# Allegro board LED_FIN.brd (continued)
## Routing (per net, layer and track width the routed paths; a pad name or vN(x,y) marks a point on that pad's centre or on a via; arc(x,y) is an arc through that point) (continued)
  BOTTOM w0.15: v1(244.55,99.8) 244.55,242.1 v1(245.25,242.8) v1(245.25,244.8) v1(245.25,246.8) v1(245.25,248.8) v1(245.25,250.8) v1(245.25,252.8) v1(245.25,254.8) v1(245.25,256.8) v1(245.25,258.8) v1(245.25,260.8) v1(245.25,262.8) v1(245.25,264.8) v1(245.25,266.8) v1(245.25,268.8) v1(245.25,270.8) v1(245.25,272.8) v1(245.25,274.8) v1(245.25,276.8) v1(245.25,278.8) v1(245.25,280.8) v1(245.25,282.8) v1(245.25,284.8) v1(245.25,286.8) v1(245.25,288.8) v1(245.25,290.8) v1(245.25,292.8) v1(245.25,294.8) v1(245.25,296.8) v1(245.25,298.8) v1(245.25,300.8) v1(245.25,302.8) v1(245.25,304.8) v1(245.25,306.8) v1(245.25,308.8) v1(245.25,310.8) v1(245.25,312.8) v1(245.25,314.8) v1(245.25,316.8)
COL_OUT_B17: length 244.7
  TOP w0.15: D8413.1 v1(243.25,288.8) ; D8683.1 v1(243.25,270.8) ; D8833.1 v1(243.25,260.8) ; D8293.1 v1(243.25,296.8) ; D8203.1 v1(243.25,302.8) ; D8983.1 v1(243.25,250.8) ; D8563.1 v1(243.25,278.8) ; D8353.1 v1(243.25,292.8) ; D8533.1 v1(243.25,280.8) ; D8713.1 v1(243.25,268.8) ; D8233.1 v1(243.25,300.8) ; D8473.1 v1(243.25,284.8) ; D8923.1 v1(243.25,254.8) ; D9073.1 v1(243.25,244.8) ; D8143.1 v1(243.25,306.8) ; D8113.1 v1(243.25,308.8) ; D8893.1 v1(243.25,256.8) ; D7993.1 v1(243.25,316.8) ; D8053.1 v1(243.25,312.8) ; D8503.1 v1(243.25,282.8) ; D8953.1 v1(243.25,252.8) ; D8593.1 v1(243.25,276.8) ; D8173.1 v1(243.25,304.8) ; D8323.1 v1(243.25,294.8) ; D9013.1 v1(243.25,248.8) ; D9103.1 v1(243.25,242.8) ; D8863.1 v1(243.25,258.8) ; D8023.1 v1(243.25,314.8) ; D9043.1 v1(243.25,246.8) ; D8653.1 v1(243.25,272.8) ; D8743.1 v1(243.25,266.8) ; v1(242.55,99.8) R223.1 ; D8773.1 v1(243.25,264.8) ; D8263.1 v1(243.25,298.8) ; D8803.1 v1(243.25,262.8) ; D8623.1 v1(243.25,274.8) ; D8083.1 v1(243.25,310.8) ; D8383.1 v1(243.25,290.8) ; D8443.1 v1(243.25,286.8)
  BOTTOM w0.15: v1(242.55,99.8) 242.55,242.1 v1(243.25,242.8) v1(243.25,244.8) v1(243.25,246.8) v1(243.25,248.8) v1(243.25,250.8) v1(243.25,252.8) v1(243.25,254.8) v1(243.25,256.8) v1(243.25,258.8) v1(243.25,260.8) v1(243.25,262.8) v1(243.25,264.8) v1(243.25,266.8) v1(243.25,268.8) v1(243.25,270.8) v1(243.25,272.8) v1(243.25,274.8) v1(243.25,276.8) v1(243.25,278.8) v1(243.25,280.8) v1(243.25,282.8) v1(243.25,284.8) v1(243.25,286.8) v1(243.25,288.8) v1(243.25,290.8) v1(243.25,292.8) v1(243.25,294.8) v1(243.25,296.8) v1(243.25,298.8) v1(243.25,300.8) v1(243.25,302.8) v1(243.25,304.8) v1(243.25,306.8) v1(243.25,308.8) v1(243.25,310.8) v1(243.25,312.8) v1(243.25,314.8) v1(243.25,316.8)
COL_OUT_B18: length 244.7
  TOP w0.15: D8742.1 v1(241.25,266.8) ; D8652.1 v1(241.25,272.8) ; D8832.1 v1(241.25,260.8) ; D9072.1 v1(241.25,244.8) ; D8322.1 v1(241.25,294.8) ; D8262.1 v1(241.25,298.8) ; D8682.1 v1(241.25,270.8) ; D8202.1 v1(241.25,302.8) ; D8592.1 v1(241.25,276.8) ; D8562.1 v1(241.25,278.8) ; D8862.1 v1(241.25,258.8) ; D8232.1 v1(241.25,300.8) ; D8172.1 v1(241.25,304.8) ; D8952.1 v1(241.25,252.8) ; D8022.1 v1(241.25,314.8) ; D8802.1 v1(241.25,262.8) ; D8532.1 v1(241.25,280.8) ; D8052.1 v1(241.25,312.8) ; D8442.1 v1(241.25,286.8) ; D8922.1 v1(241.25,254.8) ; D8472.1 v1(241.25,284.8) ; D8382.1 v1(241.25,290.8) ; D8352.1 v1(241.25,292.8) ; D9102.1 v1(241.25,242.8) ; D8142.1 v1(241.25,306.8) ; D7992.1 v1(241.25,316.8) ; D8982.1 v1(241.25,250.8) ; D8892.1 v1(241.25,256.8) ; D8292.1 v1(241.25,296.8) ; D9012.1 v1(241.25,248.8) ; D8412.1 v1(241.25,288.8) ; D8112.1 v1(241.25,308.8) ; D9042.1 v1(241.25,246.8) ; D8622.1 v1(241.25,274.8) ; D8502.1 v1(241.25,282.8) ; D8712.1 v1(241.25,268.8) ; D8082.1 v1(241.25,310.8) ; v1(240.55,99.8) R222.1 ; D8772.1 v1(241.25,264.8)
  BOTTOM w0.15: v1(240.55,99.8) 240.55,242.1 v1(241.25,242.8) v1(241.25,244.8) v1(241.25,246.8) v1(241.25,248.8) v1(241.25,250.8) v1(241.25,252.8) v1(241.25,254.8) v1(241.25,256.8) v1(241.25,258.8) v1(241.25,260.8) v1(241.25,262.8) v1(241.25,264.8) v1(241.25,266.8) v1(241.25,268.8) v1(241.25,270.8) v1(241.25,272.8) v1(241.25,274.8) v1(241.25,276.8) v1(241.25,278.8) v1(241.25,280.8) v1(241.25,282.8) v1(241.25,284.8) v1(241.25,286.8) v1(241.25,288.8) v1(241.25,290.8) v1(241.25,292.8) v1(241.25,294.8) v1(241.25,296.8) v1(241.25,298.8) v1(241.25,300.8) v1(241.25,302.8) v1(241.25,304.8) v1(241.25,306.8) v1(241.25,308.8) v1(241.25,310.8) v1(241.25,312.8) v1(241.25,314.8) v1(241.25,316.8)
COL_OUT_B19: length 244.7
  TOP w0.15: D8021.1 v1(239.25,314.8) ; D8831.1 v1(239.25,260.8) ; D8471.1 v1(239.25,284.8) ; v1(238.55,99.8) R221.1 ; D8951.1 v1(239.25,252.8) ; D7991.1 v1(239.25,316.8) ; D8111.1 v1(239.25,308.8) ; D8561.1 v1(239.25,278.8) ; D8741.1 v1(239.25,266.8) ; D8351.1 v1(239.25,292.8) ; D8291.1 v1(239.25,296.8) ; D8441.1 v1(239.25,286.8) ; D8201.1 v1(239.25,302.8) ; D8801.1 v1(239.25,262.8) ; D8981.1 v1(239.25,250.8) ; D8381.1 v1(239.25,290.8) ; D8891.1 v1(239.25,256.8) ; D9071.1 v1(239.25,244.8) ; D8411.1 v1(239.25,288.8) ; D8591.1 v1(239.25,276.8) ; D8501.1 v1(239.25,282.8) ; D8231.1 v1(239.25,300.8) ; D8321.1 v1(239.25,294.8) ; D8651.1 v1(239.25,272.8) ; D8531.1 v1(239.25,280.8) ; D8681.1 v1(239.25,270.8) ; D8171.1 v1(239.25,304.8) ; D9011.1 v1(239.25,248.8) ; D8261.1 v1(239.25,298.8) ; D8051.1 v1(239.25,312.8) ; D9101.1 v1(239.25,242.8) ; D8921.1 v1(239.25,254.8) ; D8771.1 v1(239.25,264.8) ; D8861.1 v1(239.25,258.8) ; D8711.1 v1(239.25,268.8) ; D8621.1 v1(239.25,274.8) ; D8081.1 v1(239.25,310.8) ; D8141.1 v1(239.25,306.8) ; D9041.1 v1(239.25,246.8)
  BOTTOM w0.15: v1(239.25,316.8) v1(239.25,314.8) v1(239.25,312.8) v1(239.25,310.8) v1(239.25,308.8) v1(239.25,306.8) v1(239.25,304.8) v1(239.25,302.8) v1(239.25,300.8) v1(239.25,298.8) v1(239.25,296.8) v1(239.25,294.8) v1(239.25,292.8) v1(239.25,290.8) v1(239.25,288.8) v1(239.25,286.8) v1(239.25,284.8) v1(239.25,282.8) v1(239.25,280.8) v1(239.25,278.8) v1(239.25,276.8) v1(239.25,274.8) v1(239.25,272.8) v1(239.25,270.8) v1(239.25,268.8) v1(239.25,266.8) v1(239.25,264.8) v1(239.25,262.8) v1(239.25,260.8) v1(239.25,258.8) v1(239.25,256.8) v1(239.25,254.8) v1(239.25,252.8) v1(239.25,250.8) v1(239.25,248.8) v1(239.25,246.8) v1(239.25,244.8) v1(239.25,242.8) 238.55,242.1 v1(238.55,99.8)
COL_OUT_B20: length 244.7
  TOP w0.15: D7990.1 v1(237.25,316.8) ; D8290.1 v1(237.25,296.8) ; D8830.1 v1(237.25,260.8) ; D8800.1 v1(237.25,262.8) ; D8950.1 v1(237.25,252.8) ; D8440.1 v1(237.25,286.8) ; D8200.1 v1(237.25,302.8) ; D8860.1 v1(237.25,258.8) ; D8770.1 v1(237.25,264.8) ; D8110.1 v1(237.25,308.8) ; D9040.1 v1(237.25,246.8) ; D8590.1 v1(237.25,276.8) ; D8170.1 v1(237.25,304.8) ; D8560.1 v1(237.25,278.8) ; D8500.1 v1(237.25,282.8) ; D8920.1 v1(237.25,254.8) ; D8380.1 v1(237.25,290.8) ; D8080.1 v1(237.25,310.8) ; D8890.1 v1(237.25,256.8) ; D8410.1 v1(237.25,288.8) ; D8680.1 v1(237.25,270.8) ; D8980.1 v1(237.25,250.8) ; D9100.1 v1(237.25,242.8) ; D8230.1 v1(237.25,300.8) ; v1(236.55,99.8) R220.1 ; D8620.1 v1(237.25,274.8) ; D8710.1 v1(237.25,268.8) ; D8740.1 v1(237.25,266.8) ; D8050.1 v1(237.25,312.8) ; D8320.1 v1(237.25,294.8) ; D8650.1 v1(237.25,272.8) ; D8140.1 v1(237.25,306.8) ; D8260.1 v1(237.25,298.8) ; D8350.1 v1(237.25,292.8) ; D8530.1 v1(237.25,280.8) ; D9010.1 v1(237.25,248.8) ; D8470.1 v1(237.25,284.8) ; D8020.1 v1(237.25,314.8) ; D9070.1 v1(237.25,244.8)
  BOTTOM w0.15: v1(236.55,99.8) 236.55,242.1 v1(237.25,242.8) v1(237.25,244.8) v1(237.25,246.8) v1(237.25,248.8) v1(237.25,250.8) v1(237.25,252.8) v1(237.25,254.8) v1(237.25,256.8) v1(237.25,258.8) v1(237.25,260.8) v1(237.25,262.8) v1(237.25,264.8) v1(237.25,266.8) v1(237.25,268.8) v1(237.25,270.8) v1(237.25,272.8) v1(237.25,274.8) v1(237.25,276.8) v1(237.25,278.8) v1(237.25,280.8) v1(237.25,282.8) v1(237.25,284.8) v1(237.25,286.8) v1(237.25,288.8) v1(237.25,290.8) v1(237.25,292.8) v1(237.25,294.8) v1(237.25,296.8) v1(237.25,298.8) v1(237.25,300.8) v1(237.25,302.8) v1(237.25,304.8) v1(237.25,306.8) v1(237.25,308.8) v1(237.25,310.8) v1(237.25,312.8) v1(237.25,314.8) v1(237.25,316.8)
COL_OUT_B21: length 244.7
  TOP w0.15: D7989.1 v1(235.25,316.8) ; D8949.1 v1(235.25,252.8) ; D8619.1 v1(235.25,274.8) ; v1(234.55,99.8) R219.1 ; D8559.1 v1(235.25,278.8) ; D8259.1 v1(235.25,298.8) ; D9099.1 v1(235.25,242.8) ; D8529.1 v1(235.25,280.8) ; D8829.1 v1(235.25,260.8) ; D8979.1 v1(235.25,250.8) ; D8409.1 v1(235.25,288.8) ; D8739.1 v1(235.25,266.8) ; D8679.1 v1(235.25,270.8) ; D8289.1 v1(235.25,296.8) ; D8139.1 v1(235.25,306.8) ; D8049.1 v1(235.25,312.8) ; D8319.1 v1(235.25,294.8) ; D8019.1 v1(235.25,314.8) ; D9009.1 v1(235.25,248.8) ; D8649.1 v1(235.25,272.8) ; D9069.1 v1(235.25,244.8) ; D8079.1 v1(235.25,310.8) ; D9039.1 v1(235.25,246.8) ; D8919.1 v1(235.25,254.8) ; D8469.1 v1(235.25,284.8) ; D8379.1 v1(235.25,290.8) ; D8859.1 v1(235.25,258.8) ; D8889.1 v1(235.25,256.8) ; D8709.1 v1(235.25,268.8) ; D8769.1 v1(235.25,264.8) ; D8229.1 v1(235.25,300.8) ; D8439.1 v1(235.25,286.8) ; D8109.1 v1(235.25,308.8) ; D8589.1 v1(235.25,276.8) ; D8349.1 v1(235.25,292.8) ; D8799.1 v1(235.25,262.8) ; D8199.1 v1(235.25,302.8) ; D8499.1 v1(235.25,282.8) ; D8169.1 v1(235.25,304.8)
  BOTTOM w0.15: v1(234.55,99.8) 234.55,242.1 v1(235.25,242.8) v1(235.25,244.8) v1(235.25,246.8) v1(235.25,248.8) v1(235.25,250.8) v1(235.25,252.8) v1(235.25,254.8) v1(235.25,256.8) v1(235.25,258.8) v1(235.25,260.8) v1(235.25,262.8) v1(235.25,264.8) v1(235.25,266.8) v1(235.25,268.8) v1(235.25,270.8) v1(235.25,272.8) v1(235.25,274.8) v1(235.25,276.8) v1(235.25,278.8) v1(235.25,280.8) v1(235.25,282.8) v1(235.25,284.8) v1(235.25,286.8) v1(235.25,288.8) v1(235.25,290.8) v1(235.25,292.8) v1(235.25,294.8) v1(235.25,296.8) v1(235.25,298.8) v1(235.25,300.8) v1(235.25,302.8) v1(235.25,304.8) v1(235.25,306.8) v1(235.25,308.8) v1(235.25,310.8) v1(235.25,312.8) v1(235.25,314.8) v1(235.25,316.8)
COL_OUT_B22: length 245.1
  TOP w0.15: D8678.1 v1(233.25,270.8) ; D8258.1 v1(233.25,298.8) ; D8198.1 v1(233.25,302.8) ; D8078.1 v1(233.25,310.8) ; D8588.1 v1(233.25,276.8) ; D8498.1 v1(233.25,282.8) ; D8768.1 v1(233.25,264.8) ; D8918.1 v1(233.25,254.8) ; D8438.1 v1(233.25,286.8) ; D9068.1 v1(233.25,244.8) ; D8108.1 v1(233.25,308.8) ; D8408.1 v1(233.25,288.8) ; D8798.1 v1(233.25,262.8) ; D8048.1 v1(233.25,312.8) ; D8228.1 v1(233.25,300.8) ; D7988.1 v1(233.25,316.8) ; D8828.1 v1(233.25,260.8) ; D8288.1 v1(233.25,296.8) ; D8648.1 v1(233.25,272.8) ; D9098.1 v1(233.25,242.8) ; D8528.1 v1(233.25,280.8) ; D9008.1 v1(233.25,248.8) ; D8468.1 v1(233.25,284.8) ; D8378.1 v1(233.25,290.8) ; D8888.1 v1(233.25,256.8) ; v1(232.55,99.8) R218.1 ; D8708.1 v1(233.25,268.8) ; D8138.1 v1(233.25,306.8) ; D9038.1 v1(233.25,246.8) ; D8318.1 v1(233.25,294.8) ; D8948.1 v1(233.25,252.8) ; D8738.1 v1(233.25,266.8) ; D8858.1 v1(233.25,258.8) ; D8018.1 v1(233.25,314.8) ; D8348.1 v1(233.25,292.8) ; D8168.1 v1(233.25,304.8) ; D8558.1 v1(233.25,278.8) ; D8978.1 v1(233.25,250.8) ; D8618.1 v1(233.25,274.8)
  BOTTOM w0.15: v1(232.55,99.8) 232.08,100.27 232.08,131.75 232.55,132.22 232.55,242.1 v1(233.25,242.8) v1(233.25,244.8) v1(233.25,246.8) v1(233.25,248.8) v1(233.25,250.8) v1(233.25,252.8) v1(233.25,254.8) v1(233.25,256.8) v1(233.25,258.8) v1(233.25,260.8) v1(233.25,262.8) v1(233.25,264.8) v1(233.25,266.8) v1(233.25,268.8) v1(233.25,270.8) v1(233.25,272.8) v1(233.25,274.8) v1(233.25,276.8) v1(233.25,278.8) v1(233.25,280.8) v1(233.25,282.8) v1(233.25,284.8) v1(233.25,286.8) v1(233.25,288.8) v1(233.25,290.8) v1(233.25,292.8) v1(233.25,294.8) v1(233.25,296.8) v1(233.25,298.8) v1(233.25,300.8) v1(233.25,302.8) v1(233.25,304.8) v1(233.25,306.8) v1(233.25,308.8) v1(233.25,310.8) v1(233.25,312.8) v1(233.25,314.8) v1(233.25,316.8)
COL_OUT_B23: length 244.8
  TOP w0.15: v1(230.55,128.8) 230.74,128.99 230.74,132.61 v1(230.55,132.8) ; D9037.1 v1(231.25,246.8) ; D8467.1 v1(231.25,284.8) ; D8257.1 v1(231.25,298.8) ; D8917.1 v1(231.25,254.8) ; D8347.1 v1(231.25,292.8) ; D8587.1 v1(231.25,276.8) ; D8107.1 v1(231.25,308.8) ; D8287.1 v1(231.25,296.8) ; D8017.1 v1(231.25,314.8) ; D8767.1 v1(231.25,264.8) ; v1(230.55,99.8) R217.1 ; D8197.1 v1(231.25,302.8) ; D8077.1 v1(231.25,310.8) ; D8647.1 v1(231.25,272.8) ; D8947.1 v1(231.25,252.8) ; D9097.1 v1(231.25,242.8) ; D7987.1 v1(231.25,316.8) ; D9067.1 v1(231.25,244.8) ; D8887.1 v1(231.25,256.8) ; D9007.1 v1(231.25,248.8) ; D8317.1 v1(231.25,294.8) ; D8737.1 v1(231.25,266.8) ; D8167.1 v1(231.25,304.8) ; D8407.1 v1(231.25,288.8) ; D8557.1 v1(231.25,278.8) ; D8857.1 v1(231.25,258.8) ; D8527.1 v1(231.25,280.8) ; D8827.1 v1(231.25,260.8) ; D8377.1 v1(231.25,290.8) ; D8707.1 v1(231.25,268.8) ; D8797.1 v1(231.25,262.8) ; D8047.1 v1(231.25,312.8) ; D8137.1 v1(231.25,306.8) ; D8497.1 v1(231.25,282.8) ; D8977.1 v1(231.25,250.8) ; D8677.1 v1(231.25,270.8) ; D8227.1 v1(231.25,300.8) ; D8437.1 v1(231.25,286.8) ; D8617.1 v1(231.25,274.8)
  BOTTOM w0.15: v1(231.25,316.8) v1(231.25,314.8) v1(231.25,312.8) v1(231.25,310.8) v1(231.25,308.8) v1(231.25,306.8) v1(231.25,304.8) v1(231.25,302.8) v1(231.25,300.8) v1(231.25,298.8) v1(231.25,296.8) v1(231.25,294.8) v1(231.25,292.8) v1(231.25,290.8) v1(231.25,288.8) v1(231.25,286.8) v1(231.25,284.8) v1(231.25,282.8) v1(231.25,280.8) v1(231.25,278.8) v1(231.25,276.8) v1(231.25,274.8) v1(231.25,272.8) v1(231.25,270.8) v1(231.25,268.8) v1(231.25,266.8) v1(231.25,264.8) v1(231.25,262.8) v1(231.25,260.8) v1(231.25,258.8) v1(231.25,256.8) v1(231.25,254.8) v1(231.25,252.8) v1(231.25,250.8) v1(231.25,248.8) v1(231.25,246.8) v1(231.25,244.8) v1(231.25,242.8) 230.55,242.1 v1(230.55,132.8) ; v1(230.55,128.8) v1(230.55,99.8)
COL_OUT_B24: length 244.9
  TOP w0.15: D8946.1 v1(229.25,252.8) ; D9066.1 v1(229.25,244.8) ; D8646.1 v1(229.25,272.8) ; D8196.1 v1(229.25,302.8) ; D7986.1 v1(229.25,316.8) ; D8766.1 v1(229.25,264.8) ; D8256.1 v1(229.25,298.8) ; D8736.1 v1(229.25,266.8) ; D9096.1 v1(229.25,242.8) ; D8526.1 v1(229.25,280.8) ; D8316.1 v1(229.25,294.8) ; D8136.1 v1(229.25,306.8) ; D8616.1 v1(229.25,274.8) ; D8106.1 v1(229.25,308.8) ; D8916.1 v1(229.25,254.8) ; D8826.1 v1(229.25,260.8) ; D8796.1 v1(229.25,262.8) ; D8226.1 v1(229.25,300.8) ; D8406.1 v1(229.25,288.8) ; D8166.1 v1(229.25,304.8) ; D8046.1 v1(229.25,312.8) ; D8346.1 v1(229.25,292.8) ; D8376.1 v1(229.25,290.8) ; D8556.1 v1(229.25,278.8) ; D8886.1 v1(229.25,256.8) ; D8016.1 v1(229.25,314.8) ; D8706.1 v1(229.25,268.8) ; v1(228.55,99.8) R216.1 ; D8856.1 v1(229.25,258.8) ; D8496.1 v1(229.25,282.8) ; D8466.1 v1(229.25,284.8) ; D8076.1 v1(229.25,310.8) ; D8436.1 v1(229.25,286.8) ; D8586.1 v1(229.25,276.8) ; D8976.1 v1(229.25,250.8) ; D9036.1 v1(229.25,246.8) ; D8286.1 v1(229.25,296.8) ; D8676.1 v1(229.25,270.8) ; D9006.1 v1(229.25,248.8)
  BOTTOM w0.15: v1(229.25,316.8) v1(229.25,314.8) v1(229.25,312.8) v1(229.25,310.8) v1(229.25,308.8) v1(229.25,306.8) v1(229.25,304.8) v1(229.25,302.8) v1(229.25,300.8) v1(229.25,298.8) v1(229.25,296.8) v1(229.25,294.8) v1(229.25,292.8) v1(229.25,290.8) v1(229.25,288.8) v1(229.25,286.8) v1(229.25,284.8) v1(229.25,282.8) v1(229.25,280.8) v1(229.25,278.8) v1(229.25,276.8) v1(229.25,274.8) v1(229.25,272.8) v1(229.25,270.8) v1(229.25,268.8) v1(229.25,266.8) v1(229.25,264.8) v1(229.25,262.8) v1(229.25,260.8) v1(229.25,258.8) v1(229.25,256.8) v1(229.25,254.8) v1(229.25,252.8) v1(229.25,250.8) v1(229.25,248.8) v1(229.25,246.8) v1(229.25,244.8) v1(229.25,242.8) 228.55,242.1 228.55,132.03 228.27,131.75 228.27,100.58 228.55,100.3 v1(228.55,99.8)
COL_OUT_B25: length 245
  TOP w0.15: D8675.1 v1(227.25,270.8) ; D8315.1 v1(227.25,294.8) ; D8075.1 v1(227.25,310.8) ; D8735.1 v1(227.25,266.8) ; D9035.1 v1(227.25,246.8) ; D8915.1 v1(227.25,254.8) ; v1(226.55,99.8) R215.1 ; D8435.1 v1(227.25,286.8) ; D8045.1 v1(227.25,312.8) ; D8885.1 v1(227.25,256.8) ; D8345.1 v1(227.25,292.8) ; D8765.1 v1(227.25,264.8) ; D8945.1 v1(227.25,252.8) ; v1(226.55,132.8) 226.93,132.42 226.93,129.18 v1(226.55,128.8) ; D8195.1 v1(227.25,302.8) ; D8255.1 v1(227.25,298.8) ; D8975.1 v1(227.25,250.8) ; D8555.1 v1(227.25,278.8) ; D8405.1 v1(227.25,288.8) ; D8795.1 v1(227.25,262.8) ; D8525.1 v1(227.25,280.8) ; D9095.1 v1(227.25,242.8) ; D8585.1 v1(227.25,276.8) ; D8495.1 v1(227.25,282.8) ; D8645.1 v1(227.25,272.8) ; D8165.1 v1(227.25,304.8) ; D9065.1 v1(227.25,244.8) ; D7985.1 v1(227.25,316.8) ; D8225.1 v1(227.25,300.8) ; D8465.1 v1(227.25,284.8) ; D8615.1 v1(227.25,274.8) ; D8105.1 v1(227.25,308.8) ; D8015.1 v1(227.25,314.8) ; D8825.1 v1(227.25,260.8) ; D8855.1 v1(227.25,258.8) ; D9005.1 v1(227.25,248.8) ; D8285.1 v1(227.25,296.8) ; D8135.1 v1(227.25,306.8) ; D8705.1 v1(227.25,268.8) ; D8375.1 v1(227.25,290.8)
  BOTTOM w0.15: v1(226.55,132.8) 226.55,242.1 v1(227.25,242.8) v1(227.25,244.8) v1(227.25,246.8) v1(227.25,248.8) v1(227.25,250.8) v1(227.25,252.8) v1(227.25,254.8) v1(227.25,256.8) v1(227.25,258.8) v1(227.25,260.8) v1(227.25,262.8) v1(227.25,264.8) v1(227.25,266.8) v1(227.25,268.8) v1(227.25,270.8) v1(227.25,272.8) v1(227.25,274.8) v1(227.25,276.8) v1(227.25,278.8) v1(227.25,280.8) v1(227.25,282.8) v1(227.25,284.8) v1(227.25,286.8) v1(227.25,288.8) v1(227.25,290.8) v1(227.25,292.8) v1(227.25,294.8) v1(227.25,296.8) v1(227.25,298.8) v1(227.25,300.8) v1(227.25,302.8) v1(227.25,304.8) v1(227.25,306.8) v1(227.25,308.8) v1(227.25,310.8) v1(227.25,312.8) v1(227.25,314.8) v1(227.25,316.8) ; v1(226.55,128.8) v1(226.55,99.8)
COL_OUT_B26: length 244.8
  TOP w0.15: D8074.1 v1(225.25,310.8) ; D8554.1 v1(225.25,278.8) ; D8254.1 v1(225.25,298.8) ; D8284.1 v1(225.25,296.8) ; D8344.1 v1(225.25,292.8) ; D7984.1 v1(225.25,316.8) ; D8884.1 v1(225.25,256.8) ; D8194.1 v1(225.25,302.8) ; D8494.1 v1(225.25,282.8) ; D8404.1 v1(225.25,288.8) ; D8644.1 v1(225.25,272.8) ; D8674.1 v1(225.25,270.8) ; D8374.1 v1(225.25,290.8) ; D8944.1 v1(225.25,252.8) ; D8704.1 v1(225.25,268.8) ; D9004.1 v1(225.25,248.8) ; D8044.1 v1(225.25,312.8) ; D8464.1 v1(225.25,284.8) ; D9034.1 v1(225.25,246.8) ; D9094.1 v1(225.25,242.8) ; D8824.1 v1(225.25,260.8) ; D8014.1 v1(225.25,314.8) ; D8794.1 v1(225.25,262.8) ; D8764.1 v1(225.25,264.8) ; D8614.1 v1(225.25,274.8) ; D8854.1 v1(225.25,258.8) ; D8524.1 v1(225.25,280.8) ; D8104.1 v1(225.25,308.8) ; D8584.1 v1(225.25,276.8) ; D8164.1 v1(225.25,304.8) ; D9064.1 v1(225.25,244.8) ; D8314.1 v1(225.25,294.8) ; D8224.1 v1(225.25,300.8) ; D8434.1 v1(225.25,286.8) ; D8914.1 v1(225.25,254.8) ; v1(224.55,99.8) R214.1 ; D8974.1 v1(225.25,250.8) ; D8134.1 v1(225.25,306.8) ; D8734.1 v1(225.25,266.8)
  BOTTOM w0.15: v1(224.55,99.8) 224.46,99.89 224.46,242.01 v1(225.25,242.8) v1(225.25,244.8) v1(225.25,246.8) v1(225.25,248.8) v1(225.25,250.8) v1(225.25,252.8) v1(225.25,254.8) v1(225.25,256.8) v1(225.25,258.8) v1(225.25,260.8) v1(225.25,262.8) v1(225.25,264.8) v1(225.25,266.8) v1(225.25,268.8) v1(225.25,270.8) v1(225.25,272.8) v1(225.25,274.8) v1(225.25,276.8) v1(225.25,278.8) v1(225.25,280.8) v1(225.25,282.8) v1(225.25,284.8) v1(225.25,286.8) v1(225.25,288.8) v1(225.25,290.8) v1(225.25,292.8) v1(225.25,294.8) v1(225.25,296.8) v1(225.25,298.8) v1(225.25,300.8) v1(225.25,302.8) v1(225.25,304.8) v1(225.25,306.8) v1(225.25,308.8) v1(225.25,310.8) v1(225.25,312.8) v1(225.25,314.8) v1(225.25,316.8)
COL_OUT_B27: length 245.2
  TOP w0.15: D8493.1 v1(223.25,282.8) ; D9033.1 v1(223.25,246.8) ; D8313.1 v1(223.25,294.8) ; D8613.1 v1(223.25,274.8) ; D9003.1 v1(223.25,248.8) ; D8943.1 v1(223.25,252.8) ; D8043.1 v1(223.25,312.8) ; D8013.1 v1(223.25,314.8) ; D8913.1 v1(223.25,254.8) ; D8673.1 v1(223.25,270.8) ; v1(222.55,132.8) 223.12,132.23 223.12,129.37 v1(222.55,128.8) ; D8193.1 v1(223.25,302.8) ; D9063.1 v1(223.25,244.8) ; D8853.1 v1(223.25,258.8) ; D8463.1 v1(223.25,284.8) ; D8733.1 v1(223.25,266.8) ; D8883.1 v1(223.25,256.8) ; D8373.1 v1(223.25,290.8) ; D8823.1 v1(223.25,260.8) ; D7983.1 v1(223.25,316.8) ; D8133.1 v1(223.25,306.8) ; D8643.1 v1(223.25,272.8) ; D8073.1 v1(223.25,310.8) ; D8283.1 v1(223.25,296.8) ; D8253.1 v1(223.25,298.8) ; D8583.1 v1(223.25,276.8) ; v1(222.55,99.8) R213.1 ; D8703.1 v1(223.25,268.8) ; D8523.1 v1(223.25,280.8) ; D8793.1 v1(223.25,262.8) ; D8103.1 v1(223.25,308.8) ; D8223.1 v1(223.25,300.8) ; D8163.1 v1(223.25,304.8) ; D8433.1 v1(223.25,286.8) ; D8403.1 v1(223.25,288.8) ; D8343.1 v1(223.25,292.8) ; D8553.1 v1(223.25,278.8) ; D8973.1 v1(223.25,250.8) ; D8763.1 v1(223.25,264.8) ; D9093.1 v1(223.25,242.8)
  BOTTOM w0.15: v1(223.25,316.8) v1(223.25,314.8) v1(223.25,312.8) v1(223.25,310.8) v1(223.25,308.8) v1(223.25,306.8) v1(223.25,304.8) v1(223.25,302.8) v1(223.25,300.8) v1(223.25,298.8) v1(223.25,296.8) v1(223.25,294.8) v1(223.25,292.8) v1(223.25,290.8) v1(223.25,288.8) v1(223.25,286.8) v1(223.25,284.8) v1(223.25,282.8) v1(223.25,280.8) v1(223.25,278.8) v1(223.25,276.8) v1(223.25,274.8) v1(223.25,272.8) v1(223.25,270.8) v1(223.25,268.8) v1(223.25,266.8) v1(223.25,264.8) v1(223.25,262.8) v1(223.25,260.8) v1(223.25,258.8) v1(223.25,256.8) v1(223.25,254.8) v1(223.25,252.8) v1(223.25,250.8) v1(223.25,248.8) v1(223.25,246.8) v1(223.25,244.8) v1(223.25,242.8) 222.55,242.1 v1(222.55,132.8) ; v1(222.55,128.8) v1(222.55,99.8)
COL_OUT_B28: length 244.7
  TOP w0.15: D8372.1 v1(221.25,290.8) ; D8012.1 v1(221.25,314.8) ; D8342.1 v1(221.25,292.8) ; v1(220.55,132.8) 220.58,132.77 220.58,128.83 v1(220.55,128.8) ; D8402.1 v1(221.25,288.8) ; D8672.1 v1(221.25,270.8) ; D8462.1 v1(221.25,284.8) ; D8312.1 v1(221.25,294.8) ; D8642.1 v1(221.25,272.8) ; D8972.1 v1(221.25,250.8) ; D9002.1 v1(221.25,248.8) ; D9062.1 v1(221.25,244.8) ; D7982.1 v1(221.25,316.8) ; D8222.1 v1(221.25,300.8) ; D8192.1 v1(221.25,302.8) ; D8942.1 v1(221.25,252.8) ; D8822.1 v1(221.25,260.8) ; D8072.1 v1(221.25,310.8) ; D8852.1 v1(221.25,258.8) ; D8132.1 v1(221.25,306.8) ; D9032.1 v1(221.25,246.8) ; D8912.1 v1(221.25,254.8) ; D8882.1 v1(221.25,256.8) ; D8102.1 v1(221.25,308.8) ; D8492.1 v1(221.25,282.8) ; D8762.1 v1(221.25,264.8) ; D8552.1 v1(221.25,278.8) ; D8252.1 v1(221.25,298.8) ; D8732.1 v1(221.25,266.8) ; D8522.1 v1(221.25,280.8) ; D8582.1 v1(221.25,276.8) ; D8612.1 v1(221.25,274.8) ; D9092.1 v1(221.25,242.8) ; v1(220.55,99.8) R212.1 ; D8282.1 v1(221.25,296.8) ; D8432.1 v1(221.25,286.8) ; D8042.1 v1(221.25,312.8) ; D8702.1 v1(221.25,268.8) ; D8792.1 v1(221.25,262.8) ; D8162.1 v1(221.25,304.8)
  BOTTOM w0.15: v1(220.55,132.8) 220.55,242.1 v1(221.25,242.8) v1(221.25,244.8) v1(221.25,246.8) v1(221.25,248.8) v1(221.25,250.8) v1(221.25,252.8) v1(221.25,254.8) v1(221.25,256.8) v1(221.25,258.8) v1(221.25,260.8) v1(221.25,262.8) v1(221.25,264.8) v1(221.25,266.8) v1(221.25,268.8) v1(221.25,270.8) v1(221.25,272.8) v1(221.25,274.8) v1(221.25,276.8) v1(221.25,278.8) v1(221.25,280.8) v1(221.25,282.8) v1(221.25,284.8) v1(221.25,286.8) v1(221.25,288.8) v1(221.25,290.8) v1(221.25,292.8) v1(221.25,294.8) v1(221.25,296.8) v1(221.25,298.8) v1(221.25,300.8) v1(221.25,302.8) v1(221.25,304.8) v1(221.25,306.8) v1(221.25,308.8) v1(221.25,310.8) v1(221.25,312.8) v1(221.25,314.8) v1(221.25,316.8) ; v1(220.55,128.8) v1(220.55,99.8)
COL_OUT_B29: length 245.1
  TOP w0.15: D8401.1 v1(219.25,288.8) ; D8341.1 v1(219.25,292.8) ; D8071.1 v1(219.25,310.8) ; D8491.1 v1(219.25,282.8) ; D8701.1 v1(219.25,268.8) ; D8131.1 v1(219.25,306.8) ; D8761.1 v1(219.25,264.8) ; D8011.1 v1(219.25,314.8) ; D8431.1 v1(219.25,286.8) ; D8101.1 v1(219.25,308.8) ; D8041.1 v1(219.25,312.8) ; D8371.1 v1(219.25,290.8) ; D7981.1 v1(219.25,316.8) ; D8671.1 v1(219.25,270.8) ; D9001.1 v1(219.25,248.8) ; D8611.1 v1(219.25,274.8) ; D8221.1 v1(219.25,300.8) ; D8971.1 v1(219.25,250.8) ; D8551.1 v1(219.25,278.8) ; D8461.1 v1(219.25,284.8) ; D8191.1 v1(219.25,302.8) ; D8161.1 v1(219.25,304.8) ; D8641.1 v1(219.25,272.8) ; D8851.1 v1(219.25,258.8) ; D9091.1 v1(219.25,242.8) ; D8881.1 v1(219.25,256.8) ; D8791.1 v1(219.25,262.8) ; D8521.1 v1(219.25,280.8) ; D9031.1 v1(219.25,246.8) ; D8911.1 v1(219.25,254.8) ; D9061.1 v1(219.25,244.8) ; D8821.1 v1(219.25,260.8) ; D8281.1 v1(219.25,296.8) ; D8581.1 v1(219.25,276.8) ; v1(218.55,99.8) R211.1 ; D8251.1 v1(219.25,298.8) ; D8941.1 v1(219.25,252.8) ; D8731.1 v1(219.25,266.8) ; D8311.1 v1(219.25,294.8)
  BOTTOM w0.15: v1(218.55,99.8) 218.11,100.24 218.11,132.36 218.55,132.8 218.55,242.1 v1(219.25,242.8) v1(219.25,244.8) v1(219.25,246.8) v1(219.25,248.8) v1(219.25,250.8) v1(219.25,252.8) v1(219.25,254.8) v1(219.25,256.8) v1(219.25,258.8) v1(219.25,260.8) v1(219.25,262.8) v1(219.25,264.8) v1(219.25,266.8) v1(219.25,268.8) v1(219.25,270.8) v1(219.25,272.8) v1(219.25,274.8) v1(219.25,276.8) v1(219.25,278.8) v1(219.25,280.8) v1(219.25,282.8) v1(219.25,284.8) v1(219.25,286.8) v1(219.25,288.8) v1(219.25,290.8) v1(219.25,292.8) v1(219.25,294.8) v1(219.25,296.8) v1(219.25,298.8) v1(219.25,300.8) v1(219.25,302.8) v1(219.25,304.8) v1(219.25,306.8) v1(219.25,308.8) v1(219.25,310.8) v1(219.25,312.8) v1(219.25,314.8) v1(219.25,316.8)
